# KiCad board ProtoBarnacle.kicad_pcb
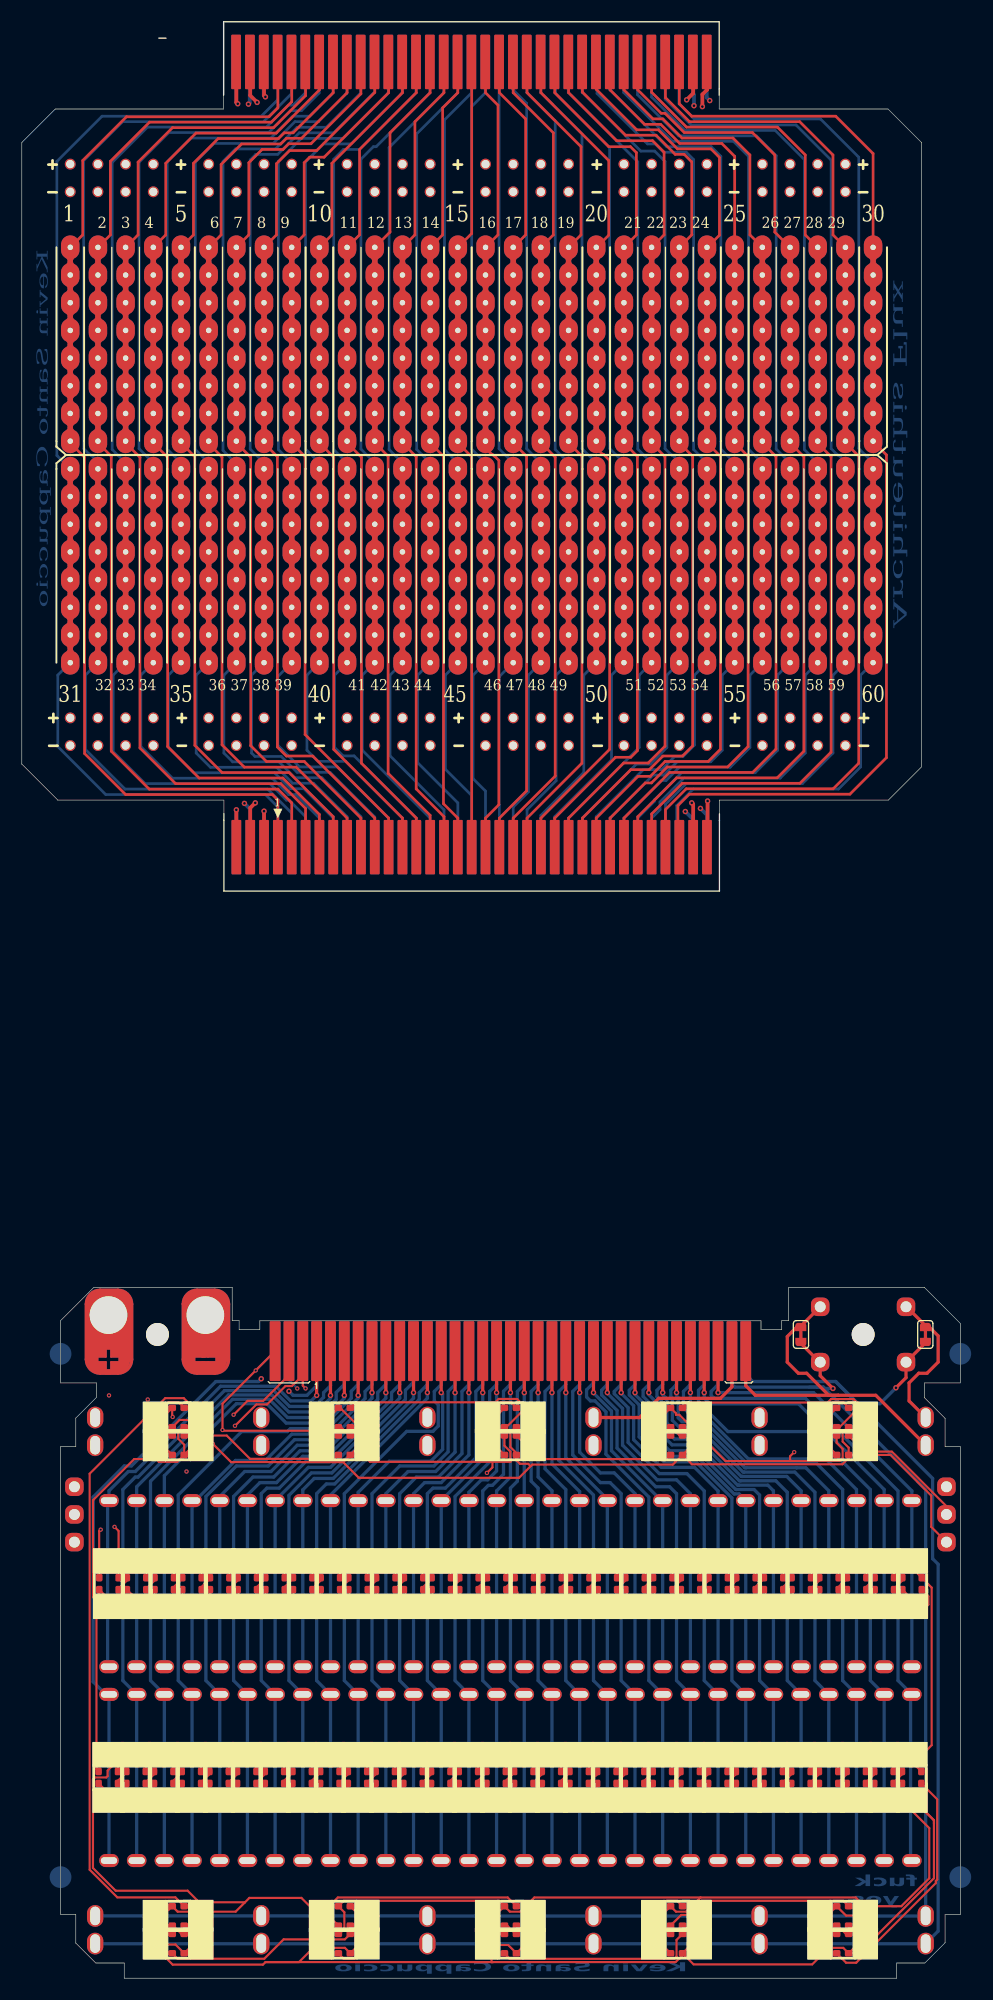
[diagram p0: board, top side]
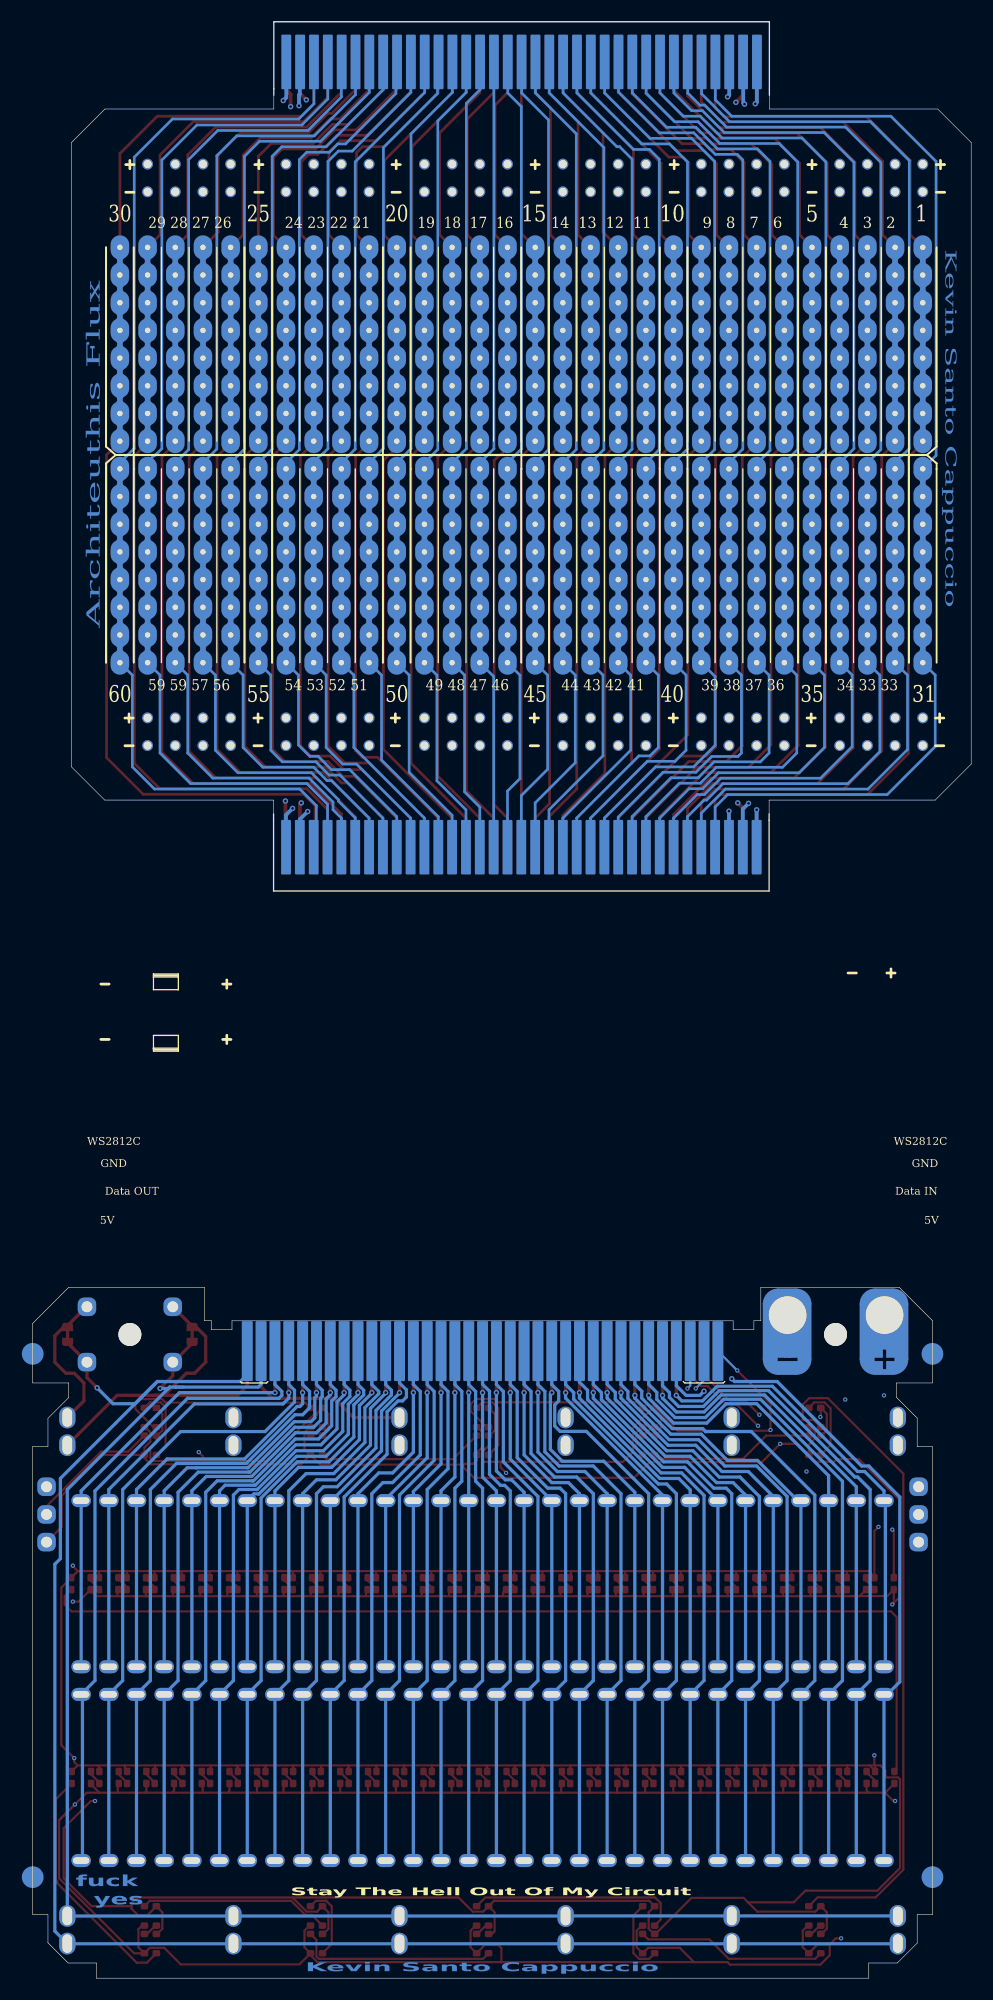
[diagram p1: board, bottom side, seen from below]

Outline 86.11 x 179.48 mm; copper layers: Top, In1.Cu, In2.Cu, Bottom. Coordinates in mm from the lower left corner of the outline.
Outline path: 18.52,172.75 18.52,171.48 3.07,171.48 0,168.4 0,111.38 3.3,108.08 18.54,108.08 18.54,106.81 ; 19.94,60.33 19.3,60.33 19.3,63.37 6.6,63.37 3.56,60.33 3.56,54.61 6.86,54.61 6.86,53.29 4.95,51.38 4.95,48.77 3.56,48.77 3.56,5.84 4.95,5.84 4.95,3.23 6.78,1.4 9.4,1.4 9.4,0 80.26,0 80.26,1.4 82.85,1.4 84.71,3.25 84.71,5.84 86.11,5.84 86.11,48.77 84.71,48.77 84.71,51.36 82.8,53.26 82.8,54.61 86.11,54.61 86.11,60.07 82.8,63.37 70.36,63.37 70.36,60.33 69.72,60.33 ; 63.98,172.75 63.98,171.48 79.48,171.48 82.55,168.4 82.55,111.13 79.5,108.08 64.01,108.08 64.01,106.81
Stack: Top 0.035mm / dielectric 0.1mm FR4 er 4.5 / In1.Cu 0.035mm / dielectric 1.24mm FR4 er 4.5 / In2.Cu 0.035mm / dielectric 0.1mm FR4 er 4.5 / Bottom 0.035mm

## Placement (name value [footprint] x y rotation side)
D1  WS2812B  [LED_WS2812B-2020_PLCC4_2.0x2.0mm]  7.99 36.2 90 top
D2  WS2812B  [LED_WS2812B-2020_PLCC4_2.0x2.0mm]  10.53 36.2 90 top
D3  WS2812B  [LED_WS2812B-2020_PLCC4_2.0x2.0mm]  13.07 36.2 90 top
D4  WS2812B  [LED_WS2812B-2020_PLCC4_2.0x2.0mm]  15.61 36.2 90 top
D5  WS2812B  [LED_WS2812B-2020_PLCC4_2.0x2.0mm]  18.15 36.2 90 top
D6  WS2812B  [LED_WS2812B-2020_PLCC4_2.0x2.0mm]  20.69 36.2 90 top
D7  WS2812B  [LED_WS2812B-2020_PLCC4_2.0x2.0mm]  23.23 36.2 90 top
D8  WS2812B  [LED_WS2812B-2020_PLCC4_2.0x2.0mm]  25.77 36.2 90 top
D9  WS2812B  [LED_WS2812B-2020_PLCC4_2.0x2.0mm]  28.31 36.2 90 top
D10  WS2812B  [LED_WS2812B-2020_PLCC4_2.0x2.0mm]  30.85 36.2 90 top
D11  WS2812B  [LED_WS2812B-2020_PLCC4_2.0x2.0mm]  33.4 36.19 90 top
D12  WS2812B  [LED_WS2812B-2020_PLCC4_2.0x2.0mm]  35.95 36.19 90 top
D13  WS2812B  [LED_WS2812B-2020_PLCC4_2.0x2.0mm]  38.49 36.19 90 top
D14  WS2812B  [LED_WS2812B-2020_PLCC4_2.0x2.0mm]  41.03 36.19 90 top
D15  WS2812B  [LED_WS2812B-2020_PLCC4_2.0x2.0mm]  43.57 36.19 90 top
D16  WS2812B  [LED_WS2812B-2020_PLCC4_2.0x2.0mm]  46.11 36.19 90 top
D17  WS2812B  [LED_WS2812B-2020_PLCC4_2.0x2.0mm]  48.65 36.19 90 top
D18  WS2812B  [LED_WS2812B-2020_PLCC4_2.0x2.0mm]  51.19 36.19 90 top
D19  WS2812B  [LED_WS2812B-2020_PLCC4_2.0x2.0mm]  53.73 36.19 90 top
D20  WS2812B  [LED_WS2812B-2020_PLCC4_2.0x2.0mm]  56.27 36.19 90 top
D21  WS2812B  [LED_WS2812B-2020_PLCC4_2.0x2.0mm]  58.81 36.2 90 top
D22  WS2812B  [LED_WS2812B-2020_PLCC4_2.0x2.0mm]  61.36 36.2 90 top
D23  WS2812B  [LED_WS2812B-2020_PLCC4_2.0x2.0mm]  63.9 36.2 90 top
D24  WS2812B  [LED_WS2812B-2020_PLCC4_2.0x2.0mm]  66.44 36.2 90 top
D25  WS2812B  [LED_WS2812B-2020_PLCC4_2.0x2.0mm]  68.98 36.2 90 top
D26  WS2812B  [LED_WS2812B-2020_PLCC4_2.0x2.0mm]  71.52 36.2 90 top
D27  WS2812B  [LED_WS2812B-2020_PLCC4_2.0x2.0mm]  74.06 36.2 90 top
D28  WS2812B  [LED_WS2812B-2020_PLCC4_2.0x2.0mm]  76.6 36.2 90 top
D29  WS2812B  [LED_WS2812B-2020_PLCC4_2.0x2.0mm]  79.14 36.2 90 top
D30  WS2812B  [LED_WS2812B-2020_PLCC4_2.0x2.0mm]  81.68 36.2 90 top
D31  WS2812B  [LED_WS2812B-2020_PLCC4_2.0x2.0mm]  7.93 18.42 90 top
D32  WS2812B  [LED_WS2812B-2020_PLCC4_2.0x2.0mm]  10.48 18.42 90 top
D33  WS2812B  [LED_WS2812B-2020_PLCC4_2.0x2.0mm]  13.02 18.42 90 top
D34  WS2812B  [LED_WS2812B-2020_PLCC4_2.0x2.0mm]  15.56 18.42 90 top
D35  WS2812B  [LED_WS2812B-2020_PLCC4_2.0x2.0mm]  18.1 18.42 90 top
D36  WS2812B  [LED_WS2812B-2020_PLCC4_2.0x2.0mm]  20.64 18.42 90 top
D37  WS2812B  [LED_WS2812B-2020_PLCC4_2.0x2.0mm]  23.18 18.42 90 top
D38  WS2812B  [LED_WS2812B-2020_PLCC4_2.0x2.0mm]  25.72 18.42 90 top
D39  WS2812B  [LED_WS2812B-2020_PLCC4_2.0x2.0mm]  28.26 18.42 90 top
D40  WS2812B  [LED_WS2812B-2020_PLCC4_2.0x2.0mm]  30.8 18.42 90 top
D41  WS2812B  [LED_WS2812B-2020_PLCC4_2.0x2.0mm]  33.35 18.42 90 top
D42  WS2812B  [LED_WS2812B-2020_PLCC4_2.0x2.0mm]  35.9 18.41 90 top
D43  WS2812B  [LED_WS2812B-2020_PLCC4_2.0x2.0mm]  38.44 18.41 90 top
D44  WS2812B  [LED_WS2812B-2020_PLCC4_2.0x2.0mm]  40.98 18.41 90 top
D45  WS2812B  [LED_WS2812B-2020_PLCC4_2.0x2.0mm]  43.52 18.41 90 top
D46  WS2812B  [LED_WS2812B-2020_PLCC4_2.0x2.0mm]  46.06 18.41 90 top
D47  WS2812B  [LED_WS2812B-2020_PLCC4_2.0x2.0mm]  48.6 18.41 90 top
D48  WS2812B  [LED_WS2812B-2020_PLCC4_2.0x2.0mm]  51.14 18.41 90 top
D49  WS2812B  [LED_WS2812B-2020_PLCC4_2.0x2.0mm]  53.68 18.41 90 top
D50  WS2812B  [LED_WS2812B-2020_PLCC4_2.0x2.0mm]  56.23 18.41 90 top
D51  WS2812B  [LED_WS2812B-2020_PLCC4_2.0x2.0mm]  58.78 18.42 90 top
D52  WS2812B  [LED_WS2812B-2020_PLCC4_2.0x2.0mm]  61.32 18.42 90 top
D53  WS2812B  [LED_WS2812B-2020_PLCC4_2.0x2.0mm]  63.86 18.42 90 top
D54  WS2812B  [LED_WS2812B-2020_PLCC4_2.0x2.0mm]  66.4 18.42 90 top
D55  WS2812B  [LED_WS2812B-2020_PLCC4_2.0x2.0mm]  68.94 18.42 90 top
D56  WS2812B  [LED_WS2812B-2020_PLCC4_2.0x2.0mm]  71.48 18.42 90 top
D57  WS2812B  [LED_WS2812B-2020_PLCC4_2.0x2.0mm]  74.02 18.42 90 top
D58  WS2812B  [LED_WS2812B-2020_PLCC4_2.0x2.0mm]  76.56 18.42 90 top
D59  WS2812B  [LED_WS2812B-2020_PLCC4_2.0x2.0mm]  79.1 18.42 90 top
D60  WS2812B  [LED_WS2812B-2020_PLCC4_2.0x2.0mm]  81.64 18.42 90 top
D71  WS2812B  [LED_WS2812B-2020_PLCC4_2.0x2.0mm]  75.31 3.18 180 top
D72  WS2812B  [LED_WS2812B-2020_PLCC4_2.0x2.0mm]  75.31 5.72 180 top
D73  WS2812B  [LED_WS2812B-2020_PLCC4_2.0x2.0mm]  60.07 5.72 180 top
D74  WS2812B  [LED_WS2812B-2020_PLCC4_2.0x2.0mm]  60.07 3.18 180 top
D75  WS2812B  [LED_WS2812B-2020_PLCC4_2.0x2.0mm]  44.83 3.18 180 top
D76  WS2812B  [LED_WS2812B-2020_PLCC4_2.0x2.0mm]  44.83 5.72 180 top
D77  WS2812B  [LED_WS2812B-2020_PLCC4_2.0x2.0mm]  29.59 5.72 180 top
D78  WS2812B  [LED_WS2812B-2020_PLCC4_2.0x2.0mm]  29.59 3.18 180 top
D79  WS2812B  [LED_WS2812B-2020_PLCC4_2.0x2.0mm]  14.35 3.18 180 top
D80  WS2812B  [LED_WS2812B-2020_PLCC4_2.0x2.0mm]  14.35 5.72 180 top
D81  WS2812B  [LED_WS2812B-2020_PLCC4_2.0x2.0mm]  14.35 51.44 180 top
D82  WS2812B  [LED_WS2812B-2020_PLCC4_2.0x2.0mm]  14.35 48.9 180 top
D83  WS2812B  [LED_WS2812B-2020_PLCC4_2.0x2.0mm]  29.59 48.9 180 top
D84  WS2812B  [LED_WS2812B-2020_PLCC4_2.0x2.0mm]  29.59 51.44 180 top
D85  WS2812B  [LED_WS2812B-2020_PLCC4_2.0x2.0mm]  44.83 51.44 180 top
D86  WS2812B  [LED_WS2812B-2020_PLCC4_2.0x2.0mm]  44.83 48.9 180 top
D87  WS2812B  [LED_WS2812B-2020_PLCC4_2.0x2.0mm]  60.07 48.9 180 top
D88  WS2812B  [LED_WS2812B-2020_PLCC4_2.0x2.0mm]  60.07 51.44 180 top
D89  WS2812B  [LED_WS2812B-2020_PLCC4_2.0x2.0mm]  75.31 51.44 180 top
D90  WS2812B  [LED_WS2812B-2020_PLCC4_2.0x2.0mm]  75.31 48.9 180 top
J1  Conn_01x30  [ProtoboardRow]  41.27 141.01 0 top
J1#2  Conn_02x35_Top_Bottom  [HEE70LP03BK]  44.83 56.01 0 top
J2  Conn_01x30  [ProtoboardRow]  41.27 120.69 0 top
J11  Connector_Breadboard  [Breadboard_CustomClips_CorrectPins_1]  44.83 27.31 0 top
J11#2  Conn_02x35_JumperluxCardEdge  [HEE70LP03BK_Daughter_Penis]  41.25 177.32 0 bottom
J12  Conn_02x35_JumperluxCardEdge  [HEE70LP03BK_Daughter_Penis#2]  41.27 102.24 180 bottom
JP1  POS_TOP_BOTTOM  [SolderJumper_2_Bridged_Small]  71.48 59.06 90 top
JP2  NEG_TOP_BOTTOM  [SolderJumper_2_Bridged_Small]  82.91 59.06 270 top
NOREF  -  [unnamed]  86.11 57.28 0 top
NOREF#2  -  [unnamed]  3.56 57.28 0 top
NOREF#3  -  [unnamed]  86.11 9.27 0 top
NOREF#4  -  [unnamed]  3.56 9.27 0 top
REF**  -  [MountingHole_2.7mm_M2.5]  77.19 59.06 0 top
REF**#2  -  [MountingHole_2.7mm_M2.5]  12.45 59.06 0 top
TP15  LED DOUT  [PinHeader_1x01_P2.54mm_Vertical_Rounded]  84.84 42.55 0 top
TP16  LED DIN  [PinHeader_1x01_P2.54mm_Vertical_Rounded]  4.83 42.55 0 top
TP20  LED GND  [PinHeader_1x01_P2.54mm_Vertical_Rounded]  4.83 45.09 0 top
TP21  LED 5V  [PinHeader_1x01_P2.54mm_Vertical_Rounded]  4.83 40.01 0 top
TP22  LED 5V  [PinHeader_1x01_P2.54mm_Vertical_Rounded]  84.84 40.01 0 top
TP23  LED GND  [PinHeader_1x01_P2.54mm_Vertical_Rounded]  84.84 45.09 0 top
TP24  TOP_POS_RAIL  [ProtoPower]  40 166.42 0 top
TP24#2  TOP_POS_RAIL  [Pad_Clip_Banana_PlusSmaller]  7.95 60.83 0 top
TP25  TOP_POS_RAIL  [PinHeader_1x01_P2.54mm_Vertical_Rounded]  73.25 61.6 90 top
TP26  TOP_NEG_RAIL  [ProtoPower]  40 163.88 0 top
TP26#2  TOP_NEG_RAIL  [Pad_Clip_Banana_Minus]  16.84 60.83 0 top
TP27  TOP_NEG_RAIL  [PinHeader_1x01_P2.54mm_Vertical_Rounded]  81.13 61.6 90 top
TP28  BOTTOM_POS_RAIL  [ProtoPower]  40 115.62 0 top
TP29  BOTTOM_POS_RAIL  [PinHeader_1x01_P2.54mm_Vertical_Rounded]  73.25 56.52 90 top
TP30  BOTTOM_NEG_RAIL  [ProtoPower]  40 113.08 0 top
TP31  BOTTOM_NEG_RAIL  [PinHeader_1x01_P2.54mm_Vertical_Rounded]  81.13 56.52 90 top

## Library data of the parts
D1-D60 D71-D90 = -: Description: RGB LED with integrated controller
J1 J2 = -: Description: Generic connector, single row, 01x30, script generated (kicad-library-utils/schlib/autogen/connector/)
J1#2 J11#2 J12 = -: Description: Generic connector, double row, 02x35, top/bottom pin numbering scheme (row 1: 1...pins_per_row, row2: pins_per_row+1 ... num_pins), script generated (kicad-library-utils/schlib/autogen/connector/)
JP1 JP2 = -: Description: Jumper, 2-pole, closed/bridged
TP15 TP16 TP20-TP24 TP24#2 TP25 TP26 TP26#2 TP27-TP31 = -: Description: test point

## Footprints (pads in the part's own frame, mm; a bottom-side part is the same pattern mirrored in y, then rotated)
Breadboard_CustomClips_CorrectPins_1
  oval 1.8x1.2 hole 1.5x0.6: 1(-36.83,16.51) 1(-36.83,1.27) 2(-34.29,16.51) 2(-34.29,1.27) 3(-31.75,16.51) 3(-31.75,1.27) 4(-29.21,16.51) 4(-29.21,1.27) 5(-26.67,16.51) 5(-26.67,1.27) 6(-24.13,16.51) 6(-24.13,1.27) 7(-21.59,16.51) 7(-21.59,1.27) 8(-19.05,16.51) 8(-19.05,1.27) 9(-16.51,16.51) 9(-16.51,1.27) 10(-13.97,16.51) 10(-13.97,1.27) 11(-11.43,16.51) 11(-11.43,1.27) 12(-8.89,16.51) 12(-8.89,1.27) 13(-6.35,16.51) 13(-6.35,1.27) 14(-3.81,16.51) 14(-3.81,1.27) 15(-1.27,16.51) 15(-1.27,1.27) 16(1.27,16.51) 16(1.27,1.27) 17(3.81,16.51) 17(3.81,1.27) 18(6.35,16.51) 18(6.35,1.27) 19(8.89,16.51) 19(8.89,1.27) 20(11.43,16.51) 20(11.43,1.27) 21(13.97,16.51) 21(13.97,1.27) 22(16.51,16.51) 22(16.51,1.27) 23(19.05,16.51) 23(19.05,1.27) 24(21.59,16.51) 24(21.59,1.27) 25(24.13,16.51) 25(24.13,1.27) 26(26.67,16.51) 26(26.67,1.27) 27(29.21,16.51) 27(29.21,1.27) 28(31.75,16.51) 28(31.75,1.27) 29(34.29,16.51) 29(34.29,1.27) 30(36.83,16.51) 30(36.83,1.27) 31(-36.83,-1.27) 31(-36.83,-16.51) 32(-34.29,-1.27) 32(-34.29,-16.51) 33(-31.75,-1.27) 33(-31.75,-16.51) 34(-29.21,-1.27) 34(-29.21,-16.51) 35(-26.67,-1.27) 35(-26.67,-16.51) 36(-24.13,-1.27) 36(-24.13,-16.51) 37(-21.59,-1.27) 37(-21.59,-16.51) 38(-19.05,-1.27) 38(-19.05,-16.51) 39(-16.51,-1.27) 39(-16.51,-16.51) 40(-13.97,-1.27) 40(-13.97,-16.51) 41(-11.43,-1.27) 41(-11.43,-16.51) 42(-8.89,-1.27) 42(-8.89,-16.51) 43(-6.35,-1.27) 43(-6.35,-16.51) 44(-3.81,-1.27) 44(-3.81,-16.51) 45(-1.27,-1.27) 45(-1.27,-16.51) 46(1.27,-1.27) 46(1.27,-16.51) 47(3.81,-1.27) 47(3.81,-16.51) 48(6.35,-1.27) 48(6.35,-16.51) 49(8.89,-1.27) 49(8.89,-16.51) 50(11.43,-1.27) 50(11.43,-16.51) 51(13.97,-1.27) 51(13.97,-16.51) 52(16.51,-1.27) 52(16.51,-16.51) 53(19.05,-1.27) 53(19.05,-16.51) 54(21.59,-1.27) 54(21.59,-16.51) 55(24.13,-1.27) 55(24.13,-16.51) 56(26.67,-1.27) 56(26.67,-16.51) 57(29.21,-1.27) 57(29.21,-16.51) 58(31.75,-1.27) 58(31.75,-16.51) 59(34.29,-1.27) 59(34.29,-16.51) 60(36.83,-1.27) 60(36.83,-16.51)
  oval 1.5x2 hole 0.9x1.7: 61(-38.1,24.13) 61(-22.86,24.13) 61(-7.62,24.13) 61(7.62,24.13) 61(22.86,24.13) 61(38.1,24.13) 62(-38.1,21.59) 62(-22.86,21.59) 62(-7.62,21.59) 62(7.62,21.59) 62(22.86,21.59) 62(38.1,21.59) 63(-38.1,-21.59) 63(-22.86,-21.59) 63(-7.62,-21.603) 63(7.62,-21.59) 63(22.86,-21.59) 63(38.1,-21.59) 64(-38.1,-24.13) 64(-22.86,-24.13) 64(-7.62,-24.13) 64(7.62,-24.13) 64(22.86,-24.13) 64(38.1,-24.13)
HEE70LP03BK
  rrect 1x5.5 smd: 1(-17.78,1.524) 2(-16.51,1.524) 3(-15.24,1.524) 4(-13.97,1.524) 5(-12.7,1.524) 6(-11.43,1.524) 7(-10.16,1.524) 8(-8.89,1.524) 9(-7.62,1.524) 10(-6.35,1.524) 11(-5.08,1.524) 12(-3.81,1.524) 13(-2.54,1.524) 14(-1.27,1.524) 15(0,1.524) 16(1.27,1.524) 17(2.54,1.524) 18(3.81,1.524) 19(5.08,1.524) 20(6.35,1.524) 21(7.62,1.524) 22(8.89,1.524) 23(10.16,1.524) 24(11.43,1.524) 25(12.7,1.524) 26(13.97,1.524) 27(15.24,1.524) 28(16.51,1.524) 29(17.78,1.524) 30(19.05,1.524) 61(20.32,1.524) 62(21.59,1.524) 68(-21.59,1.524) 69(-20.32,1.524) 70(-19.05,1.524)
  rrect 1x5.5 smd far side: 31(-17.78,1.524) 32(-16.51,1.524) 33(-15.24,1.524) 34(-13.97,1.524) 35(-12.7,1.524) 36(-11.43,1.524) 37(-10.16,1.524) 38(-8.89,1.524) 39(-7.62,1.524) 40(-6.35,1.524) 41(-5.08,1.524) 42(-3.81,1.524) 43(-2.54,1.524) 44(-1.27,1.524) 45(0,1.524) 46(1.27,1.524) 47(2.54,1.524) 48(3.81,1.524) 49(5.08,1.524) 50(6.35,1.524) 51(7.62,1.524) 52(8.89,1.524) 53(10.16,1.524) 54(11.43,1.524) 55(12.7,1.524) 56(13.97,1.524) 57(15.24,1.524) 58(16.51,1.524) 59(17.78,1.524) 60(19.05,1.524) 63(20.32,1.524) 64(21.59,1.524) 65(-21.59,1.524) 66(-20.32,1.524) 67(-19.05,1.524)
HEE70LP03BK_Daughter_Penis
  rrect 0.9x5 smd: 1(-17.78,1.524) 2(-16.51,1.524) 3(-15.24,1.524) 4(-13.97,1.524) 5(-12.7,1.524) 6(-11.43,1.524) 7(-10.16,1.524) 8(-8.89,1.524) 9(-7.62,1.524) 10(-6.35,1.524) 11(-5.08,1.524) 12(-3.81,1.524) 13(-2.54,1.524) 14(-1.27,1.524) 15(0,1.524) 16(1.27,1.524) 17(2.54,1.524) 18(3.81,1.524) 19(5.08,1.524) 20(6.35,1.524) 21(7.62,1.524) 22(8.89,1.524) 23(10.16,1.524) 24(11.43,1.524) 25(12.7,1.524) 26(13.97,1.524) 27(15.24,1.524) 28(16.51,1.524) 29(17.78,1.524) 30(19.05,1.524) 61(20.32,1.524) 62(21.59,1.524) 68(-21.59,1.524) 69(-20.32,1.524) 70(-19.05,1.524)
  rrect 0.9x5 smd far side: 31(-17.78,1.524) 32(-16.51,1.524) 33(-15.24,1.524) 34(-13.97,1.524) 35(-12.7,1.524) 36(-11.43,1.524) 37(-10.16,1.524) 38(-8.89,1.524) 39(-7.62,1.524) 40(-6.35,1.524) 41(-5.08,1.524) 42(-3.81,1.524) 43(-2.54,1.524) 44(-1.27,1.524) 45(0,1.524) 46(1.27,1.524) 47(2.54,1.524) 48(3.81,1.524) 49(5.08,1.524) 50(6.35,1.524) 51(7.62,1.524) 52(8.89,1.524) 53(10.16,1.524) 54(11.43,1.524) 55(12.7,1.524) 56(13.97,1.524) 57(15.24,1.524) 58(16.51,1.524) 59(17.78,1.524) 60(19.05,1.524) 63(20.32,1.524) 64(21.59,1.524) 65(-21.59,1.524) 66(-20.32,1.524) 67(-19.05,1.524)
HEE70LP03BK_Daughter_Penis#2
  rrect 0.9x5 smd: 1(17.78,1.524) 2(16.51,1.524) 3(15.24,1.524) 4(13.97,1.524) 5(12.7,1.524) 6(11.43,1.524) 7(10.16,1.524) 8(8.89,1.524) 9(7.62,1.524) 10(6.35,1.524) 11(5.08,1.524) 12(3.81,1.524) 13(2.54,1.524) 14(1.27,1.524) 15(0,1.524) 16(-1.27,1.524) 17(-2.54,1.524) 18(-3.81,1.524) 19(-5.08,1.524) 20(-6.35,1.524) 21(-7.62,1.524) 22(-8.89,1.524) 23(-10.16,1.524) 24(-11.43,1.524) 25(-12.7,1.524) 26(-13.97,1.524) 27(-15.24,1.524) 28(-16.51,1.524) 29(-17.78,1.524) 30(-19.05,1.524) 61(-20.32,1.524) 62(-21.59,1.524) 68(21.59,1.524) 69(20.32,1.524) 70(19.05,1.524)
  rrect 0.9x5 smd far side: 31(17.78,1.524) 32(16.51,1.524) 33(15.24,1.524) 34(13.97,1.524) 35(12.7,1.524) 36(11.43,1.524) 37(10.16,1.524) 38(8.89,1.524) 39(7.62,1.524) 40(6.35,1.524) 41(5.08,1.524) 42(3.81,1.524) 43(2.54,1.524) 44(1.27,1.524) 45(0,1.524) 46(-1.27,1.524) 47(-2.54,1.524) 48(-3.81,1.524) 49(-5.08,1.524) 50(-6.35,1.524) 51(-7.62,1.524) 52(-8.89,1.524) 53(-10.16,1.524) 54(-11.43,1.524) 55(-12.7,1.524) 56(-13.97,1.524) 57(-15.24,1.524) 58(-16.51,1.524) 59(-17.78,1.524) 60(-19.05,1.524) 63(-20.32,1.524) 64(-21.59,1.524) 65(21.59,1.524) 66(20.32,1.524) 67(19.05,1.524)
LED_WS2812B-2020_PLCC4_2.0x2.0mm
  rrect 0.7x0.6 smd: 1(-0.55,-0.889) 2(0.55,-0.889) 3(0.55,0.889) 4(-0.55,0.889)
MountingHole_2.7mm_M2.5
  round 2.1 hole 2.1 unplated: (0,0)
Pad_Clip_Banana_Minus
  round 4 hole 3.45: 1(0,0)
Pad_Clip_Banana_PlusSmaller
  round 4 hole 3.45: 1(0,0)
PinHeader_1x01_P2.54mm_Vertical_Rounded
  rrect 1.7x1.7 hole 1: 1(0,0)
ProtoboardRow
  custom 1.7x2.56 hole 1: 1(-36.83,17.78) 1(-36.83,0) 2(-34.29,17.78) 2(-34.29,0) 3(-31.75,17.78) 3(-31.75,0) 4(-29.21,17.78) 4(-29.21,0) 5(-26.67,17.78) 5(-26.67,0) 6(-24.13,17.78) 6(-24.13,0) 7(-21.59,17.78) 7(-21.59,0) 8(-19.05,17.78) 8(-19.05,0) 9(-16.51,17.78) 9(-16.51,0) 10(-13.97,17.78) 10(-13.97,0) 11(-11.43,17.78) 11(-11.43,0) 12(-8.89,17.78) 12(-8.89,0) 13(-6.35,17.78) 13(-6.35,0) 14(-3.81,17.78) 14(-3.81,0) 15(-1.27,17.78) 15(-1.27,0) 16(1.27,17.78) 16(1.27,0) 17(3.81,17.78) 17(3.81,0) 18(6.35,17.78) 18(6.35,0) 19(8.89,17.78) 19(8.89,0) 20(11.43,17.78) 20(11.43,0) 21(13.97,17.78) 21(13.97,0) 22(16.51,17.78) 22(16.51,0) 23(19.05,17.78) 23(19.05,0) 24(21.59,17.78) 24(21.59,0) 25(24.13,17.78) 25(24.13,0) 26(26.67,17.78) 26(26.67,0) 27(29.21,17.78) 27(29.21,0) 28(31.75,17.78) 28(31.75,0) 29(34.29,17.78) 29(34.29,0) 30(36.83,17.78) 30(36.83,0)
  custom 1.7x2.92 hole 1: 1(-36.83,15.24) 1(-36.83,12.7) 1(-36.83,10.16) 1(-36.83,7.62) 1(-36.83,5.08) 1(-36.83,2.54) 2(-34.29,15.24) 2(-34.29,12.7) 2(-34.29,10.16) 2(-34.29,7.62) 2(-34.29,5.08) 2(-34.29,2.54) 3(-31.75,15.24) 3(-31.75,12.7) 3(-31.75,10.16) 3(-31.75,7.62) 3(-31.75,5.08) 3(-31.75,2.54) 4(-29.21,15.24) 4(-29.21,12.7) 4(-29.21,10.16) 4(-29.21,7.62) 4(-29.21,5.08) 4(-29.21,2.54) 5(-26.67,15.24) 5(-26.67,12.7) 5(-26.67,10.16) 5(-26.67,7.62) 5(-26.67,5.08) 5(-26.67,2.54) 6(-24.13,15.24) 6(-24.13,12.7) 6(-24.13,10.16) 6(-24.13,7.62) 6(-24.13,5.08) 6(-24.13,2.54) 7(-21.59,15.24) 7(-21.59,12.7) 7(-21.59,10.16) 7(-21.59,7.62) 7(-21.59,5.08) 7(-21.59,2.54) 8(-19.05,15.24) 8(-19.05,12.7) 8(-19.05,10.16) 8(-19.05,7.62) 8(-19.05,5.08) 8(-19.05,2.54) 9(-16.51,15.24) 9(-16.51,12.7) 9(-16.51,10.16) 9(-16.51,7.62) 9(-16.51,5.08) 9(-16.51,2.54) 10(-13.97,15.24) 10(-13.97,12.7) 10(-13.97,10.16) 10(-13.97,7.62) 10(-13.97,5.08) 10(-13.97,2.54) 11(-11.43,15.24) 11(-11.43,12.7) 11(-11.43,10.16) 11(-11.43,7.62) 11(-11.43,5.08) 11(-11.43,2.54) 12(-8.89,15.24) 12(-8.89,12.7) 12(-8.89,10.16) 12(-8.89,7.62) 12(-8.89,5.08) 12(-8.89,2.54) 13(-6.35,15.24) 13(-6.35,12.7) 13(-6.35,10.16) 13(-6.35,7.62) 13(-6.35,5.08) 13(-6.35,2.54) 14(-3.81,15.24) 14(-3.81,12.7) 14(-3.81,10.16) 14(-3.81,7.62) 14(-3.81,5.08) 14(-3.81,2.54) 15(-1.27,15.24) 15(-1.27,12.7) 15(-1.27,10.16) 15(-1.27,7.62) 15(-1.27,5.08) 15(-1.27,2.54) 16(1.27,15.24) 16(1.27,12.7) 16(1.27,10.16) 16(1.27,7.62) 16(1.27,5.08) 16(1.27,2.54) 17(3.81,15.24) 17(3.81,12.7) 17(3.81,10.16) 17(3.81,7.62) 17(3.81,5.08) 17(3.81,2.54) 18(6.35,15.24) 18(6.35,12.7) 18(6.35,10.16) 18(6.35,7.62) 18(6.35,5.08) 18(6.35,2.54) 19(8.89,15.24) 19(8.89,12.7) 19(8.89,10.16) 19(8.89,7.62) 19(8.89,5.08) 19(8.89,2.54) 20(11.43,15.24) 20(11.43,12.7) 20(11.43,10.16) 20(11.43,7.62) 20(11.43,5.08) 20(11.43,2.54) 21(13.97,15.24) 21(13.97,12.7) 21(13.97,10.16) 21(13.97,7.62) 21(13.97,5.08) 21(13.97,2.54) 22(16.51,15.24) 22(16.51,12.7) 22(16.51,10.16) 22(16.51,7.62) 22(16.51,5.08) 22(16.51,2.54) 23(19.05,15.24) 23(19.05,12.7) 23(19.05,10.16) 23(19.05,7.62) 23(19.05,5.08) 23(19.05,2.54) 24(21.59,15.24) 24(21.59,12.7) 24(21.59,10.16) 24(21.59,7.62) 24(21.59,5.08) 24(21.59,2.54) 25(24.13,15.24) 25(24.13,12.7) 25(24.13,10.16) 25(24.13,7.62) 25(24.13,5.08) 25(24.13,2.54) 26(26.67,15.24) 26(26.67,12.7) 26(26.67,10.16) 26(26.67,7.62) 26(26.67,5.08) 26(26.67,2.54) 27(29.21,15.24) 27(29.21,12.7) 27(29.21,10.16) 27(29.21,7.62) 27(29.21,5.08) 27(29.21,2.54) 28(31.75,15.24) 28(31.75,12.7) 28(31.75,10.16) 28(31.75,7.62) 28(31.75,5.08) 28(31.75,2.54) 29(34.29,15.24) 29(34.29,12.7) 29(34.29,10.16) 29(34.29,7.62) 29(34.29,5.08) 29(34.29,2.54) 30(36.83,15.24) 30(36.83,12.7) 30(36.83,10.16) 30(36.83,7.62) 30(36.83,5.08) 30(36.83,2.54)
ProtoPower
  round 1 hole 0.75: 1(-35.56,0) 1(-33.02,0) 1(-30.48,0) 1(-27.94,0) 1(-22.86,0) 1(-20.32,0) 1(-17.78,0) 1(-15.24,0) 1(-10.16,0) 1(-7.62,0) 1(-5.08,0) 1(-2.54,0) 1(2.54,0) 1(5.08,0) 1(7.62,0) 1(10.16,0) 1(15.24,0) 1(17.78,0) 1(20.32,0) 1(22.86,0) 1(27.94,0) 1(30.48,0) 1(33.02,0) 1(35.56,0)
SolderJumper_2_Bridged_Small
  custom 1.704x1.016 smd: 1(-0.813,0)
  custom 0.762x1.016 smd: 2(0.813,0)
unnamed
  round 2 smd far side: 1(0,0)
